# KiCad board dongle.kicad_pcb
note: AISLER Project ID: FSMJNVAG
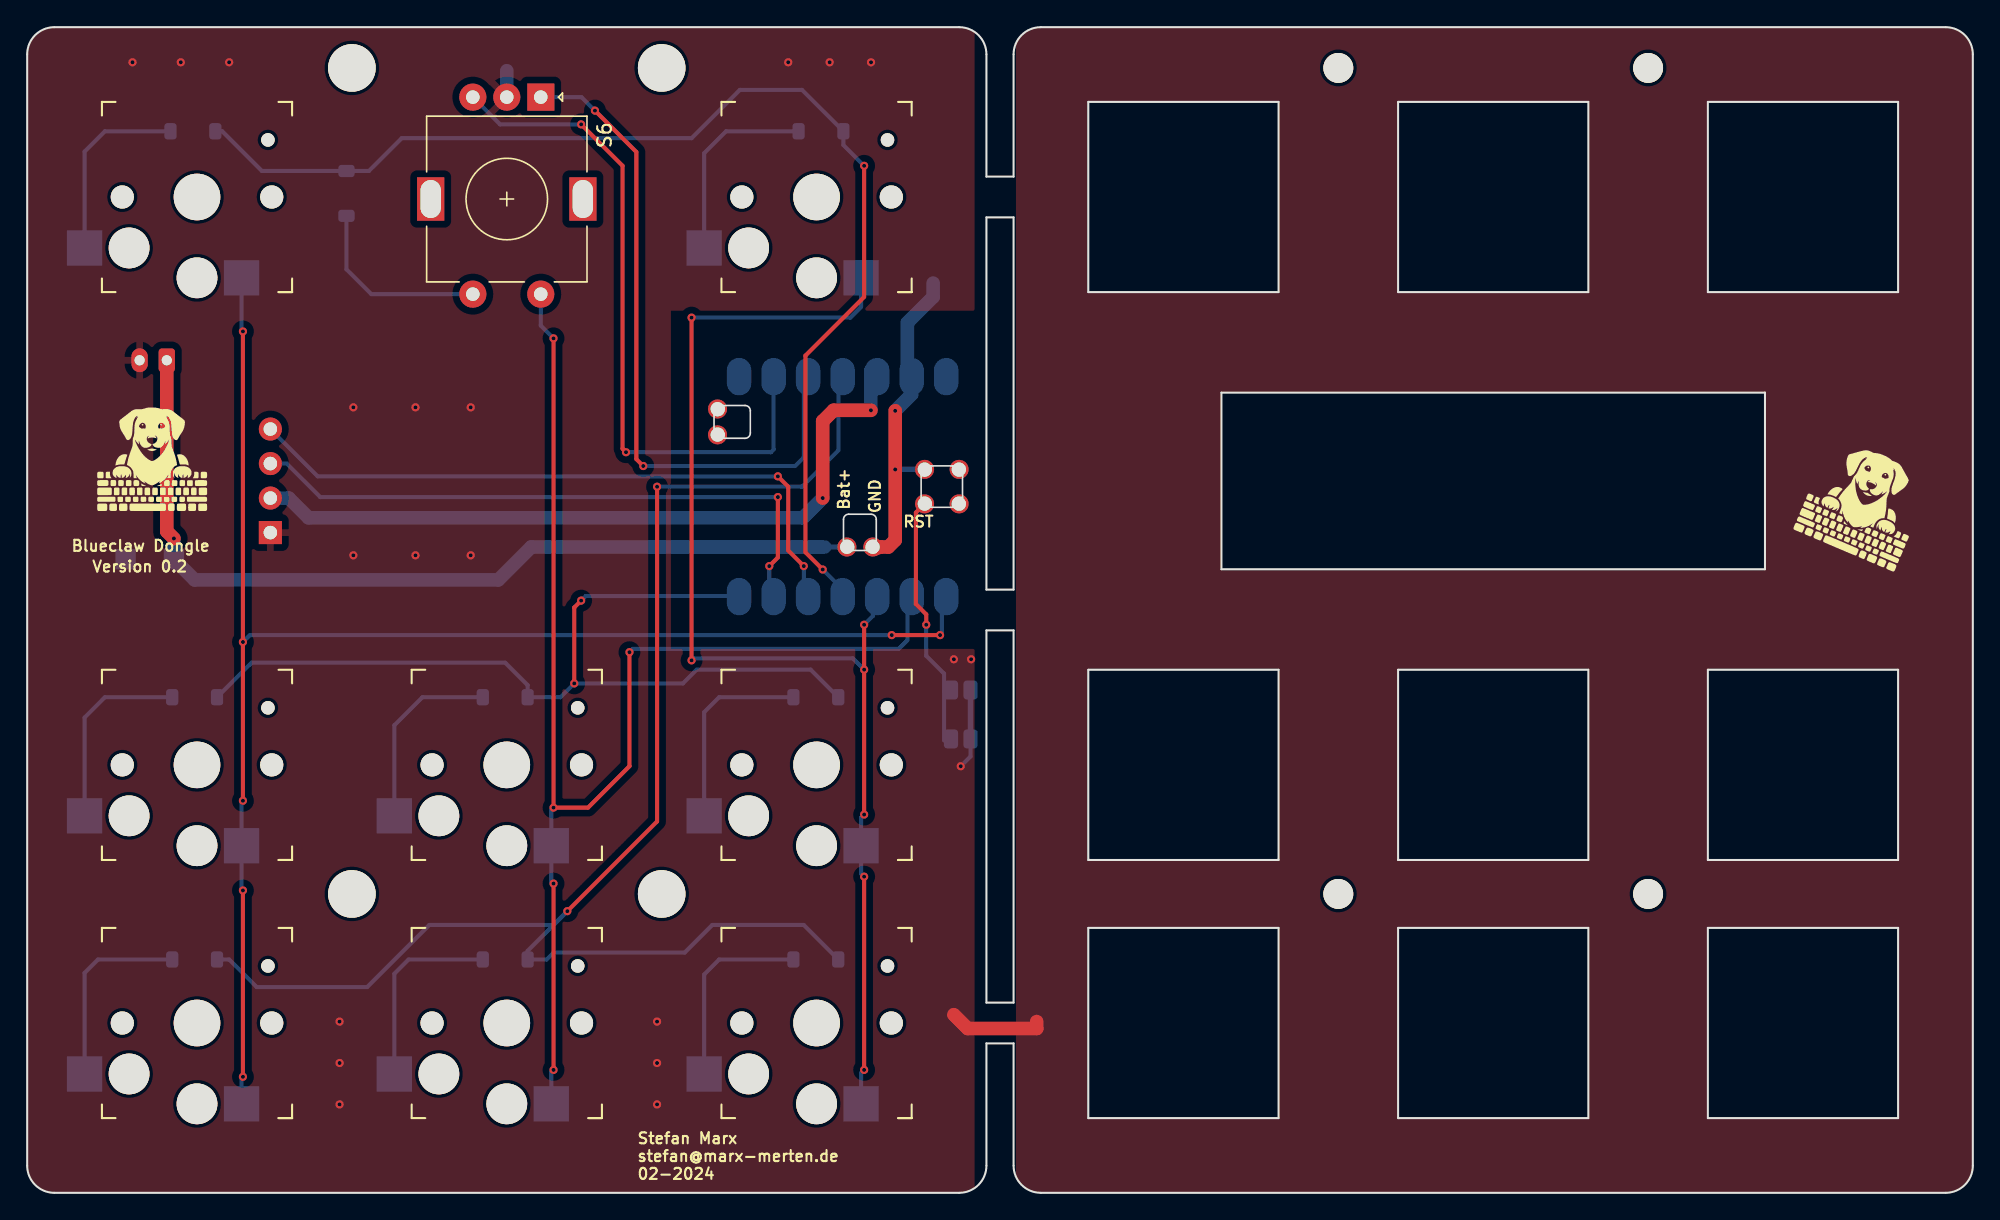
[diagram p0: board, top side]
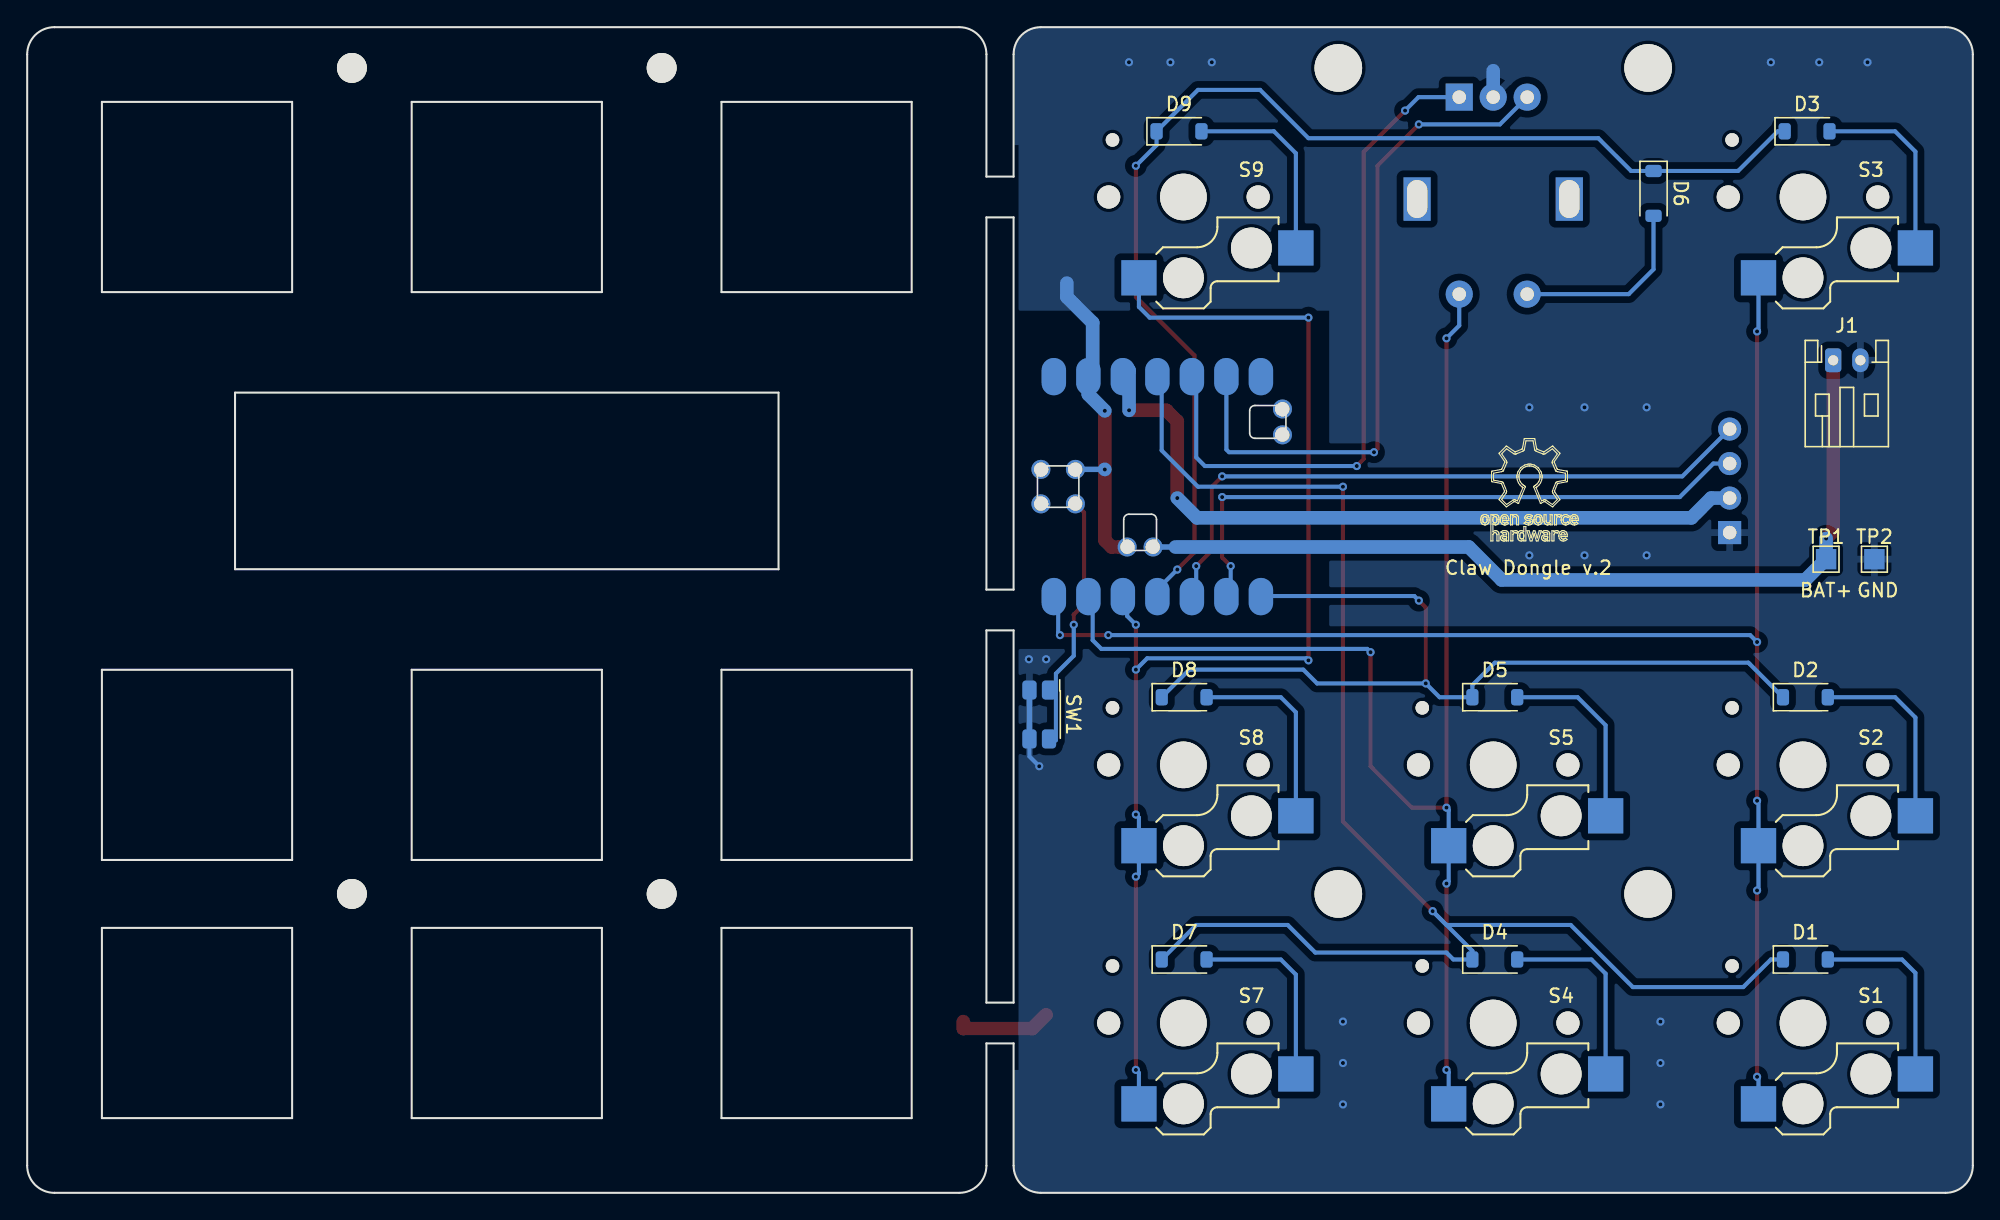
[diagram p1: board, bottom side, seen from below]

Outline 143.2 x 85.8 mm; copper layers: Front, Back. Coordinates in mm from the lower left corner of the outline.
Outline path: 0,83.8 arc(0.59,85.21) 2,85.8 68.6,85.8 arc(70.01,85.21) 70.6,83.8 70.6,74.8 72.6,74.8 72.6,83.8 arc(73.19,85.21) 74.6,85.8 141.2,85.8 arc(142.61,85.21) 143.2,83.8 143.2,2 arc(142.61,0.59) 141.2,0 74.6,0 arc(73.19,0.59) 72.6,2 72.6,11 70.6,11 70.6,2 arc(70.01,0.59) 68.6,0 2,0 arc(0.59,0.59) 0,2 0,83.8 ; 70.6,71.8 70.6,44.4 72.6,44.4 72.6,71.8 70.6,71.8 ; 70.6,41.4 70.6,14 72.6,14 72.6,41.4 70.6,41.4 ; 78.1,80.3 78.1,66.3 92.1,66.3 92.1,80.3 78.1,80.3 ; 78.1,38.5 78.1,24.5 92.1,24.5 92.1,38.5 78.1,38.5 ; 78.1,19.5 78.1,5.5 92.1,5.5 92.1,19.5 78.1,19.5 ; 87.9,58.9 87.9,45.9 127.9,45.9 127.9,58.9 87.9,58.9 ; 100.9,80.3 100.9,66.3 114.9,66.3 114.9,80.3 100.9,80.3 ; 100.9,38.5 100.9,24.5 114.9,24.5 114.9,38.5 100.9,38.5 ; 100.9,19.5 100.9,5.5 114.9,5.5 114.9,19.5 100.9,19.5 ; 123.7,80.3 123.7,66.3 137.7,66.3 137.7,80.3 123.7,80.3 ; 123.7,38.5 123.7,24.5 137.7,24.5 137.7,38.5 123.7,38.5 ; 123.7,19.5 123.7,5.5 137.7,5.5 137.7,19.5 123.7,19.5
Stack: Front 0.035mm / dielectric 1.51mm FR4 er 4.5 / Back 0.035mm

## Placement (name value [footprint] x y rotation side)
D1  Diode  [D_SOD-123]  12.32 17.18 180 bottom
D2  Diode  [D_SOD-123]  12.32 36.48 180 bottom
D3  Diode  [D_SOD-123]  12.2 78.14 180 bottom
D4  Diode  [D_SOD-123]  35.18 17.18 180 bottom
D5  Diode  [D_SOD-123]  35.18 36.48 180 bottom
D6  Diode  [D_SOD-123]  23.5 73.56 270 bottom
D7  Diode  [D_SOD-123]  58.04 17.18 180 bottom
D8  Diode  [D_SOD-123]  58.04 36.48 180 bottom
D9  Diode  [D_SOD-123]  58.43 78.14 180 bottom
DSP1  -  [OLED_128x32]  35.3 52.4 0 top
GL1  LOGO  [DDKeyboard_10_10]  9.28 53.75 0 top
GL2  LOGO  [DDKeyboard_10_10]  135.14 50.52 337 top
J1  Bat  [JST_PH_S2B-PH-K_1x02_P2.00mm_Horizontal]  10.28 61.28 180 bottom
Logo  Claw Dongle v.2  [OSSLogo]  32.71 52.36 180 bottom
M1  MOUNT  [MountingHole_3.5mm]  23.9 82.8 0 top
M2  MOUNT  [MountingHole_3.5mm]  23.9 22 0 top
M3  MOUNT  [MountingHole_3.5mm]  46.7 82.8 0 top
M4  MOUNT  [MountingHole_3.5mm]  46.7 22 0 top
M5  MOUNT  [MountingHole_2.2mm_M2_DIN965]  119.3 82.8 0 top
M6  MOUNT  [MountingHole_2.2mm_M2_DIN965]  119.3 22 0 top
M7  MOUNT  [MountingHole_2.2mm_M2_DIN965]  96.5 82.8 0 top
M8  MOUNT  [MountingHole_2.2mm_M2_DIN965]  96.5 22 0 top
S1  Choc  [Kailh_socket_PG1350]  12.5 12.5 0 top
S2  Choc  [Kailh_socket_PG1350]  12.5 31.5 0 top
S3  Choc  [Kailh_socket_PG1350]  12.5 73.3 0 top
S4  Choc  [Kailh_socket_PG1350]  35.3 12.5 0 top
S5  Choc  [Kailh_socket_PG1350]  35.3 31.5 0 top
S6  Choc  [RotaryEncoder_Alps_EC11E-Switch_Vertical_H20mm]  37.8 80.65 270 top
S7  Choc  [Kailh_socket_PG1350]  58.1 12.5 0 top
S8  Choc  [Kailh_socket_PG1350]  58.1 31.5 0 top
S9  Choc  [Kailh_socket_PG1350]  58.1 73.3 0 top
SW1  SW_Reset  [SW_SPST_EVQP7A]  68.71 35.21 270 bottom
TP1  BAT+  [TestPoint_Pad_1.5x1.5mm]  10.8 46.64 180 bottom
TP2  GND  [TestPoint_Pad_1.5x1.5mm]  7.24 46.64 180 bottom
U1  SeeeduinoXIAO  [xiao-ble-smd-cutout]  60.02 51.98 90 bottom

## Library data of the parts
D1-D9 = -: Sim.Device: D; Sim.Pins: 1=K 2=A; LCSC PartNumber: C493190; MPN: C493190; ki_fp_filters: TO-???* *_Diode_* *SingleDiode* D_*
J1 = -: Description: Generic connector, single row, 01x02, script generated
S1-S5 S7-S9 = -: LCSC PartNumber: C5333465; MPN: C5333465
S6 = -: Description: ROTARY ENCODER MECHANICAL 24PPR; Category: Sensors, Transducers; DK_Datasheet_Link: https://www.bourns.com/docs/Product-Datasheets/PEC11R.pdf; DK_Detail_Page: /product-detail/en/bourns-inc/PEC11R-4215F-S0024/PEC11R-4215F-S0024-ND/4499665; Digi-Key_PN: PEC11R-4215F-S0024-ND; Family: Encoders; Manufacturer: Bourns Inc.; Status: Active; ki_fp_filters: RotaryEncoder*Switch*
SW1 = -: Description: Push button switch, generic, two pins; Part number: Panasonic EVQ-P7A01P; LCSC PartNumber: C2917474; MPN: C2917474
TP1 TP2 = -: Description: test point; ki_fp_filters: Pin* Test*

## Footprints (pads in the part's own frame, mm; a bottom-side part is the same pattern mirrored in y, then rotated)
D_SOD-123
  rrect 0.9x1.2 smd: 1(-1.65,0) 2(1.65,0)
JST_PH_S2B-PH-K_1x02_P2.00mm_Horizontal
  rrect 1.2x1.75 hole 0.75: 1(0,0)
  oval 1.2x1.75 hole 0.75: 2(2,0)
Kailh_socket_PG1350
  round 1.702 hole 1.702 unplated: (-5.5,0) (5.5,0)
  round 3 hole 3 unplated: (-5,-3.75) (0,-5.95)
  round 3.429 hole 3.429 unplated: (0,0)
  round 0.991 hole 0.991 unplated: (5.22,4.2)
  rect 2.6x2.6 smd far side: 1(3.275,-5.95) 2(-8.275,-3.75)
MountingHole_2.2mm_M2_DIN965
  round 2.2 hole 2.2 unplated: (0,0)
MountingHole_3.5mm
  round 3.5 hole 3.5 unplated: (0,0)
OLED_128x32
  rect 1.7x1.7 hole 1: 1(-17.402,-3.801)
  oval 1.7x1.7 hole 1: 2(-17.402,-1.261) 3(-17.402,1.279) 4(-17.402,3.819)
RotaryEncoder_Alps_EC11E-Switch_Vertical_H20mm
  rect 2x2 hole 1: A(0,0)
  round 2 hole 1: B(0,-5) C(0,-2.5) S1(14.5,-5) S2(14.5,0)
  rect 3.2x2 hole 2.8x1.5: MP(7.5,3.1) MP(7.5,-8.1)
SW_SPST_EVQP7A
  rrect 1.4x1.05 smd: 1(-1.8,0.72) 1(1.8,0.72) 2(-1.8,-0.72) 2(1.8,-0.72)
TestPoint_Pad_1.5x1.5mm
  rect 1.5x1.5 smd: 1(0,0)
xiao-ble-smd-cutout
  oval 2.75x1.8 smd: 1(-8.57,7.62) 2(-8.57,5.08) 3(-8.57,2.54) 4(-8.57,0) 5(-8.57,-2.54) 6(-8.57,-5.08) 7(-8.57,-7.62) 8(8.57,-7.62) 9(8.57,-5.08) 10(8.57,-2.54) 11(8.57,0) 12(8.57,2.54) 13(8.57,5.08) 14(8.57,7.62)
  round 1.397 hole 1.016: 15(-1.27,8.572) 16(1.27,8.572) 17(-1.27,6.032) 18(1.27,6.032) 19(-4.445,0.317) 20(-4.445,2.222) 21(3.81,-9.208) 22(5.715,-9.208)

## Nets
3v3: DSP1.2 U1.12
GND: DSP1.1 J1.2 S6.C SW1.2 TP2.1 U1.13 U1.18 U1.20
BAT: J1.1 TP1.1 U1.19
Col1: S1.1 S2.1 S3.1 U1.1
Col2: S4.1 S5.1 S6.S2 U1.2
Col3: S7.1 S8.1 S9.1 U1.3
EncA: S6.A U1.10
EncB: S6.B U1.9
Row1: D3.1 D6.1 D9.1 U1.4
Row2: D2.1 D5.1 D8.1 U1.7
Row3: D1.1 D4.1 D7.1 U1.11
Net-(D1-A): D1.2 S1.2
Net-(D2-A): D2.2 S2.2
Net-(D3-A): D3.2 S3.2
Net-(D4-A): D4.2 S4.2
Net-(D5-A): D5.2 S5.2
Net-(D6-A): D6.2 S6.S1
Net-(D7-A): D7.2 S7.2
Net-(D8-A): D8.2 S8.2
Net-(D9-A): D9.2 S9.2
Net-(DSP1-SCL): DSP1.3 U1.6
Net-(DSP1-SDA): DSP1.4 U1.5
Net-(U1-RST): SW1.1 U1.17

Pads without a net: S6 MP; U1 8 14 15 16 21 22

## Via types
v1: diameter 0.6, hole 0.3, Front to Back, 60 vias

## Routing (per net, layer and track width the routed paths; a pad name or vN(x,y) marks a point on that pad's centre or on a via; arc(x,y) is an arc through that point)
3v3: length 54.5
  Front w1: v1(58.55,51.14) 58.55,56.8 59.35,57.6 v1(62.1,57.6)
  Back w1: v1(58.55,51.14) 57.1,49.69 20.71,49.69 19.26,51.14 DSP1.2 ; v1(62.1,57.6) 62.1,60.53 62.24,60.67
GND: length 39
  Front w1: v1(63.89,57.56) 63.89,48.05 63.38,47.54 62.8,47.54 62.45,47.42 62.25,47.52 ; 68.2,13.11 69.22,12.1 74.3,12.1 74.3,12.6
  Back w0.3: SW1.2 69.43,32.12 v1(68.71,31.4)
  Back w0.4: U1.18 63.89,53.25 ; SW1.2 SW1.2
  Back w1: S6.C 35.3,82.59 ; U1.13 65.1,58.77 v1(63.89,57.56) ; 66.68,66.96 66.68,65.94 64.78,64.04 64.78,60.67 ; 63.89,53.25 v1(63.89,53.24)
  vias: v1(7.75,83.22) v1(11.31,83.22) v1(14.86,83.22) v1(22.99,12.6) v1(22.99,9.56) v1(22.99,6.51) v1(24.01,57.82) v1(24.01,46.92) v1(28.58,57.82) v1(28.58,46.92) v1(32.64,57.82) v1(32.64,46.92) v1(46.36,12.6) v1(46.36,9.56) v1(46.36,6.51) v1(56.01,83.22) v1(59.06,83.22) v1(62.11,83.22) v1(68.2,39.27) v1(69.47,39.27)
BAT: length 66
  Front w1: v1(10.8,48.16) 10.28,48.69 J1.1
  Back w0.4: 58.69,47.54 59.99,47.54 60.24,47.29
  Back w1: 58.69,47.54 37.1,47.54 34.68,45.12 12.32,45.12 TP1.1 v1(10.8,48.16)
Col1: length 115.4
  Front w0.3: v1(15.88,63.4) v1(15.88,40.54) v1(15.88,28.86) ; v1(15.88,22.26) v1(15.88,8.54) ; v1(67.19,41.05) v1(63.63,41.05)
  Back w0.3: 67.32,43.93 67.32,41.18 v1(67.19,41.05) ; v1(15.88,63.4) 15.77,63.51 S3.1 ; v1(15.88,28.86) 15.77,28.75 S2.1 15.77,22.36 v1(15.88,22.26) ; S1.1 15.77,8.44 v1(15.88,8.54) ; v1(63.63,41.05) 16.39,41.05 v1(15.88,40.54)
Col2: length 99.5
  Front w0.3: v1(38.74,9.05) v1(38.74,22.76) ; v1(38.74,62.9) v1(38.74,28.35) 41.28,28.35 44.33,31.4 v1(44.33,39.79)
  Back w0.3: S6.S2 37.8,63.84 v1(38.74,62.9) ; v1(38.74,9.05) 38.57,8.88 S4.1 ; v1(38.74,22.76) 38.57,22.93 S5.1 38.57,28.19 v1(38.74,28.35) ; v1(44.33,39.79) 44.57,40.04 64.14,40.04 64.78,40.68 64.78,43.93
Col3: length 91.2
  Front w0.3: v1(61.6,27.84) v1(61.6,38.51) v1(61.6,41.81) ; v1(48.9,64.42) v1(48.9,39.19) ; v1(61.6,23.27) v1(61.6,9.05)
  Back w0.3: v1(61.6,9.05) 61.38,8.82 S7.1 ; 62.24,43.93 62.24,42.45 v1(61.6,41.81) ; v1(48.9,39.19) 49.05,39.34 60.77,39.34 v1(61.6,38.51) ; S9.1 61.38,65.21 60.58,64.42 v1(48.9,64.42) ; v1(61.6,23.27) 61.38,23.5 S8.1 61.38,27.62 v1(61.6,27.84)
EncA: length 50.6
  Front w0.3: v1(41.79,79.66) 44.84,76.61 44.84,54.01 v1(45.34,53.5)
  Back w0.3: v1(41.79,79.66) 40.8,80.65 S6.A ; 57.16,60.67 57.16,54.14 56.52,53.5 v1(45.34,53.5)
EncB: length 51.1
  Front w0.3: v1(44.07,54.51) 43.82,54.77 43.82,75.6 v1(40.77,78.64)
  Back w0.3: v1(40.77,78.64) 34.81,78.64 S6.B ; U1.9 54.94,54.71 54.74,54.51 v1(44.07,54.51)
Row1: length 88.8
  Front w0.3: v1(61.6,75.6) 61.6,65.94 57.28,61.63 57.28,47.15 v1(58.55,45.88)
  Back w0.3: v1(58.55,45.88) 59.7,44.73 59.7,43.93 ; D3.1 14.36,78.14 17.28,75.21 D6.1 25.15,75.21 27.56,77.63 48.9,77.63 52.46,81.18 57.03,81.18 D9.1 60.08,77.12 v1(61.6,75.6)
Row2: length 67.8
  Front w0.3: v1(40.77,43.59) 40.26,43.08 v1(40.26,37.5)
  Back w0.3: v1(40.77,43.59) 41.11,43.93 52.08,43.93 ; D2.1 16.51,39.02 35.18,39.02 36.83,37.37 D5.1 39.25,36.48 v1(40.26,37.5) 48.26,37.5 49.28,38.51 57.66,38.51 D8.1
Row3: length 113.1
  Front w0.3: v1(46.36,51.97) 46.36,27.34 v1(39.76,20.73)
  Back w0.3: v1(46.36,51.97) 57.03,51.97 59.7,54.65 59.7,60.67 ; D1.1 14.86,17.18 16.9,15.14 25.02,15.14 29.6,19.72 38.74,19.72 v1(39.76,20.73) 36.83,17.81 D4.1 38.23,17.18 38.74,17.68 48.39,17.68 50.42,19.72 57.15,19.72 D7.1
Net-(D1-A): length 14.3
  Back w0.3: S1.2 4.22,16.19 5.21,17.18 D1.2
Net-(D2-A): length 14.3
  Back w0.3: S2.2 4.22,34.98 5.72,36.48 D2.2
Net-(D3-A): length 14
  Back w0.3: D3.2 5.72,78.14 4.22,76.64 S3.2
Net-(D4-A): length 14.3
  Back w0.3: D4.2 28.07,17.18 27.02,16.13 S4.2
Net-(D5-A): length 14
  Back w0.3: S5.2 27.02,34.42 29.09,36.48 D5.2
Net-(D6-A): length 14
  Back w0.3: S6.S1 25.33,66.15 23.5,67.98 D6.2
Net-(D7-A): length 14.3
  Back w0.3: D7.2 50.93,17.18 49.82,16.07 S7.2
Net-(D8-A): length 14.7
  Back w0.3: D8.2 50.93,36.48 49.82,35.37 S8.2
Net-(D9-A): length 14.6
  Back w0.3: D9.2 51.44,78.14 49.82,76.52 S9.2
Net-(DSP1-SCL): length 45.9
  Front w0.3: v1(55.25,51.21) 55.25,46.76 v1(54.62,46.13)
  Back w0.3: v1(54.62,46.13) 54.62,43.93 ; v1(55.25,51.21) 21.57,51.21 19.1,53.68 DSP1.3
Net-(DSP1-SDA): length 48.4
  Front w0.3: v1(57.16,46.13) 56.01,47.28 56.01,51.97 v1(55.25,52.74)
  Back w0.3: v1(57.16,46.13) 57.16,43.93 ; DSP1.4 21.38,52.74 v1(55.25,52.74)
Net-(U1-RST): length 18.5
  Front w0.3: v1(66.17,41.81) 66.17,42.58 65.41,43.34 65.41,50.07 U1.17
  Back w0.3: v1(66.17,41.81) 66.17,39.53 67.48,38.22 67.48,33.3

## Copper pours and planes (outline as drawn; the poured copper is in the pictures)
GND on Front: 72.78,88.8 72.78,-4.67 143.9,-4.67 143.9,88.8
GND on Front: -2.41,87.79 69.73,87.79 69.73,-5.18 -2.41,-5.18
GND on Back: 71.76,88.3 -2.92,88.3 -2.92,-2.64 71.76,-3.65

## Text on the board
F.Silkscreen: Blueclaw Dongle | Version 0.2 | Stefan Marx / stefan@marx-merten.de / 02-2024 | RST | Bat+ | GND
